# Altium PCB AX7103-2021-0629.PcbDoc (part 5 of 7) (continued)
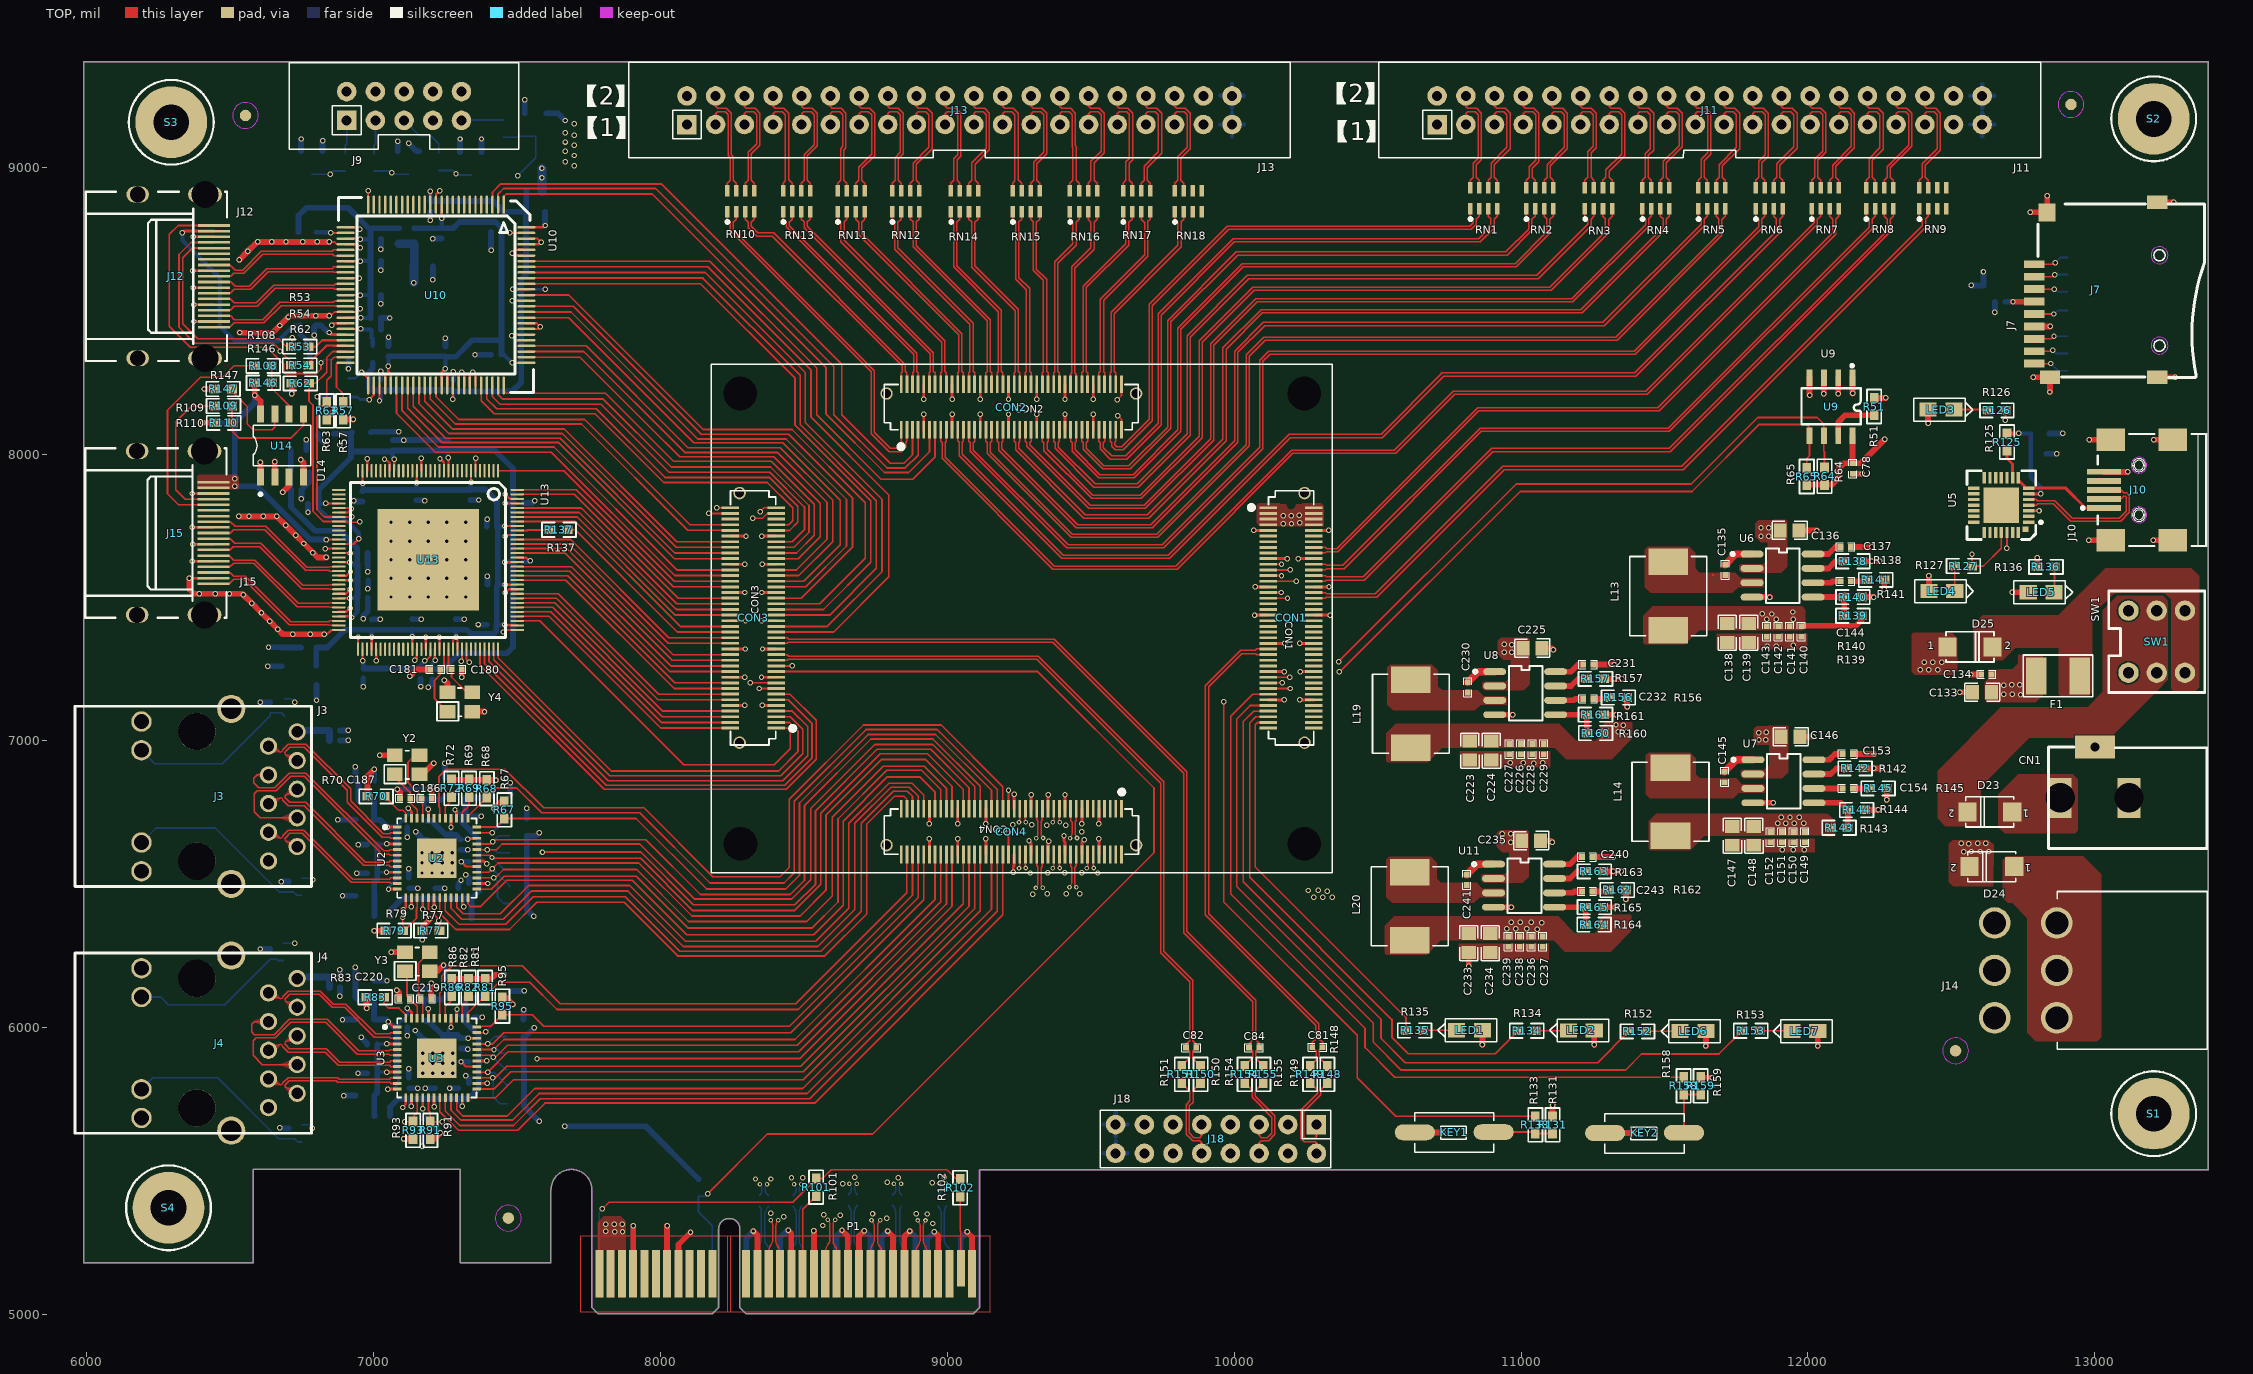
[diagram p0: TOP view]
## Nets (pads, with @x,y where several pads share a name; then routed paths per layer and width w, separated by ;. In a path a pad name is that pad's centre, name@x,y a point inside that pad or via, vN(x,y) a via of type N, cw(c..) or ccw(c..) an arc to the next point about the centre after c; other vN are vias at no path point) (continued)
N17097878: C181.1 U13.84 Y4.1 | length 249.9
  TOP w6: U13.84@7245.5,7320.3 7245.5,7261.31 C181.1@7233.54,7249.35 7233.54,7232.35 7213.04,7211.85 7213.04,7147.08 Y4.1@7257.73,7102.39
N17098042: R109.1 R110.2 U14.5 | length 404.4
  TOP w6: R109.1@6507.04,8167.71 6507.04,8109.99 R110.2@6508.04,8108.99 6508.04,8079.85 6532.04,8055.85 6712.04,8055.85 6756.04,8099.85 U14.5@6756.04,8139.85
N17098052: R147.2 U14.7 | length 298.5
  TOP w6: R147.2@6506.04,8226.99 6506.04,8219.85 6560.04,8165.85 6560.04,8104.85 6580.04,8084.85 6647.04,8084.85 6656.04,8093.85 U14.7@6656.04,8139.85
N17098066: R108.1 R146.2 U14.6 | length 193.1
  TOP w6: R108.1@6645.04,8307.71 6645.04,8249.99 R146.2@6646.04,8248.99 6646.04,8228.85 6706.04,8168.85 U14.6@6706.04,8139.85
N17099637: R51.1 U9.7 | length 183.1
  TOP w20: U9.7@12105.71,8063.49 12105.71,8111.18 12130.38,8135.85 R51.1@12230.9,8135.85
N17105083: KEY2.1 R158.1 R159.1 | length 193.1
  TOP w6: KEY2.1@11568.27,5634.35 11568.27,5766.48 R158.1@11566.9,5767.85 R159.1@11625.9,5767.85
N17109958: C187.1 U2.46 Y2.1 | length 185.1
  TOP w6: Y2.1@7073.73,6883.39 7073.73,6874.16 7128.04,6819.85 C187.1@7128.04,6799.85 7128.04,6783.85 7152.07,6759.82 U2.46@7152.07,6730.69
N17109960: C186.1 U2.45 Y2.3 | length 266.4
  TOP w6: Y2.3@7160.35,6950.31 7145.5,6950.31 7120.04,6924.85 7120.04,6855.85 7167.04,6808.85 C186.1@7167.04,6799.85 7167.04,6785.57 7171.76,6780.85 U2.45@7171.76,6730.69
N17113346: R69.2 U2.38 | length 83.9
  TOP w6: U2.38@7309.55,6730.69 7309.55,6751.36 7333.18,6774.99 R69.2@7333.18,6804.85
N17113357: R70.2 U2.48 | length 116.1
  TOP w6: R70.2@7039.04,6806.99 7087.18,6758.85 7103.04,6758.85 7112.7,6749.19 U2.48@7112.7,6730.69
N17113998: C189.1 J3.12 R71.2 | length 603.5
  BOTTOM w6: J3.12@6191.12,6967.72 6237.99,6920.85 6473.04,6920.85 6640.04,7087.85 C189.1@6640.04,7098.85 6678.04,7098.85 R71.2@6690.04,7086.85
N17114016: C190.1 C191.1 J3.P1 | length 150.1
  BOTTOM w25: J3.P1@6734.03,7031.9 6738.98,7036.85 C191.1@6847.04,7036.85 C190.1@6847.04,7001.85
N17114022: C188.1 J3.13 R66.2 | length 677.3
  BOTTOM w6: J3.13@6191.12,6646.07 6241.9,6696.85 6449.04,6696.85 6672.04,6473.85 C188.1@6705.04,6473.85 6721.04,6473.85 6733.04,6461.85 R66.2@6750.04,6461.85
N17127231: R82.2 U3.38 | length 86.1
  TOP w6: U3.38@7309.55,6033.69 7309.55,6077.36 7331.18,6098.99 R82.2@7331.18,6110.85
N17127234: R83.2 U3.48 | length 126.7
  TOP w6: R83.2@7036.04,6106.99 7036.04,6084.85 7051.54,6069.35 7088.54,6069.35 7112.7,6045.19 U3.48@7112.7,6033.69
N17127267: C200.1 J4.12 R85.2 | length 573
  BOTTOM w6: J4.12@6191.12,6107.72 6258.17,6107.72 6285.04,6080.85 6482.04,6080.85 C200.1@6640.04,6238.85 6662.04,6238.85 6666.04,6234.85 R85.2@6685.9,6234.85
N17127285: C199.1 C201.1 J4.P1 | length 150.1
  BOTTOM w25: J4.P1@6734.03,6171.9 6738.98,6176.85 C201.1@6847.04,6176.85 C199.1@6847.04,6141.85
N17127291: C196.1 J4.13 R84.2 | length 668.2
  BOTTOM w6: J4.13@6191.12,5786.07 6230.9,5825.85 6457.04,5825.85 6669.04,5613.85 C196.1@6705.04,5613.85 6725.04,5613.85 6737.04,5601.85 R84.2@6750.04,5601.85
N17133722: C220.1 U3.46 Y3.1 | length 181.2
  TOP w6: Y3.1@7109.73,6197.39 7117.04,6190.08 7117.04,6109.85 C220.1@7126.04,6100.85 7152.07,6074.82 U3.46@7152.07,6033.69
N17133724: C219.1 U3.45 Y3.3 | length 253
  TOP w6: U3.45@7171.76,6033.69 7171.76,6094.13 C219.1@7165.04,6100.85 7157.04,6108.85 7157.04,6225 Y3.3@7196.35,6264.31
N17145811: LED1.2 R135.2 | length 116.9
  TOP w6: R135.2@10659.04,5990.99 10659.9,5991.85 LED1.2@10775.54,5991.85
N17145844: LED2.2 R134.2 | length 115.9
  TOP w6: R134.2@11050.04,5989.99 11164.68,5989.99 LED2.2@11165.54,5990.85
N17152075: CN1.3 D23.1
N17152103: D24.1 J14.1 J14.2 J14.3
N17240476: LED6.2 R152.2 | length 118.9
  TOP w6: R152.2@11436.04,5987.99 11553.68,5987.99 LED6.2@11554.54,5988.85
N17240505: LED7.2 R153.2 | length 114
  TOP w6: R153.2@11831.04,5989.99 11943.4,5989.99 LED7.2@11944.54,5988.85
N17255447: C144.2 R141.1 | length 59.1
  TOP w20: C144.2@12149.6,7556.62 12201.46,7556.62 R141.1@12206.6,7561.76
N17255454: R139.2 R140.1 U6.5 | length 174
  TOP w20: U6.5@12017.9,7501.62 12126.46,7501.62 R140.1@12126.6,7501.76 R139.2@12126.6,7436.48
N17255460: C135.2 L13.1 U6.3 | length 5.7
  TOP w6: 11668.04,7579.99 11672.04,7575.99
N17255510: C137.1 U6.8 | length 106.1
  TOP w20: U6.8@12017.9,7651.62 12071.6,7651.62 12096.6,7676.62 C137.1@12113.6,7676.62
N17255538: C135.1 U6.1 | length 109
  TOP w25: C135.1@11711.6,7614.62 11748.6,7651.62 U6.1@11805.3,7651.62
N17255550: C144.1 U6.6 | length 97.8
  TOP w20: U6.6@12017.9,7551.62 12081.6,7551.62 12086.6,7556.62 C144.1@12113.6,7556.62
N17255552: R138.2 U6.7 | length 119
  TOP w20: U6.7@12017.9,7601.62 12071.74,7601.62 12096.6,7626.48 R138.2@12126.6,7626.48
N17256496: C232.2 R156.1 | length 59.1
  TOP w20: C232.2@11252.6,7146.62 11304.46,7146.62 R156.1@11309.6,7151.76
N17256500: R160.2 R161.1 U8.5 | length 173
  TOP w20: U8.5@11120.9,7091.62 11229.46,7091.62 R161.1@11229.6,7091.76 11229.6,7028.15 R160.2@11230.04,7027.71
N17256512: C230.2 L19.1 U8.3
N17256548: C231.1 U8.8 | length 106.1
  TOP w20: U8.8@11120.9,7241.62 11174.6,7241.62 11199.6,7266.62 C231.1@11216.6,7266.62
N17256590: C230.1 U8.1 | length 109
  TOP w25: C230.1@10814.6,7204.62 10851.6,7241.62 U8.1@10908.3,7241.62
N17256602: C232.1 U8.6 | length 97.8
  TOP w20: U8.6@11120.9,7141.62 11184.6,7141.62 11189.6,7146.62 C232.1@11216.6,7146.62
N17256604: R157.2 U8.7 | length 119
  TOP w20: U8.7@11120.9,7191.62 11174.74,7191.62 11199.6,7216.48 R157.2@11229.6,7216.48
N17291571: C243.2 R162.1 | length 59.1
  TOP w20: C243.2@11248.6,6475.62 11300.46,6475.62 R162.1@11305.6,6480.76
N17291575: R164.2 R165.1 U11.5 | length 170
  TOP w20: U11.5@11116.9,6420.62 11225.46,6420.62 R165.1@11225.6,6420.76 11225.6,6360.27 R164.2@11225.04,6359.71
N17291587: C241.2 L20.1 U11.3
N17291623: C240.1 U11.8 | length 106.1
  TOP w20: U11.8@11116.9,6570.62 11170.6,6570.62 11195.6,6595.62 C240.1@11212.6,6595.62
N17291649: C241.1 U11.1 | length 109
  TOP w25: C241.1@10810.6,6533.62 10847.6,6570.62 U11.1@10904.3,6570.62
N17291677: C243.1 U11.6 | length 97.8
  TOP w20: U11.6@11116.9,6470.62 11180.6,6470.62 11185.6,6475.62 C243.1@11212.6,6475.62
N17291679: R163.2 U11.7 | length 119
  TOP w20: U11.7@11116.9,6520.62 11170.74,6520.62 11195.6,6545.48 R163.2@11225.6,6545.48
PCIE_CLK_N: C112.2 CON4.38 | length 1696.6
  TOP w5: v2(9250.04,6556.85) ccw(c9243.04,6563.85) 9252.94,6563.85 CON4.38@9252.94,6604.33
  IN1 w5: v2(8372.04,5454.85) 8369.64,5452.46 ccw(c8385.61,5436.51) 8363.04,5436.51 ccw(c8376.7,5436.51) 8367.04,5426.85 8370.67,5423.21 ccw(c8386.04,5438.6) 8386.04,5416.85 8395.04,5416.85 ccw(c8395.04,5440.85) 8419.04,5440.85 8419.04,5450.85 ccw(c8414.04,5450.85) 8414.04,5455.85 cw(c8414.04,5460.85) 8409.04,5460.85 8409.04,5465.85 cw(c8414.04,5465.85) 8414.04,5470.85 ccw(c8414.04,5475.85) 8419.04,5475.85 8419.04,5480.85 ccw(c8414.04,5480.85) 8414.04,5485.85 cw(c8414.04,5491.85) 8408.04,5491.85 8408.04,5495.73 cw(c8413.16,5495.73) 8409.54,5499.35 cw(c8413.16,5495.73) 8413.16,5500.85 8414.04,5500.85 ccw(c8414.04,5505.85) 8419.04,5505.85 8419.04,5510.85 ccw(c8414.04,5510.85) 8414.04,5515.85 cw(c8414.04,5520.85) 8409.04,5520.85 8409.04,5525.85 cw(c8414.04,5525.85) 8414.04,5530.85 ccw(c8414.04,5535.85) 8419.04,5535.85 8419.04,5565.85 cw(c8743.94,5565.85) 8514.18,5795.57 9181.1,6462.47 ccw(c9176.25,6467.33) 9181.1,6472.19 cw(c9185.95,6477.04) 9181.1,6481.89 9182.01,6482.8 cw(c9186.86,6477.94) 9191.71,6482.8 ccw(c9196.57,6487.66) 9201.43,6482.8 9253.94,6535.32 ; v2(9250.04,6556.85) cw(c9235.55,6542.36) 9256.04,6542.36 9256.04,6540.37 cw(c9248.94,6540.37) 9253.94,6535.33
  BOTTOM w5: v2(8372.04,5454.85) ccw(c8388.94,5437.95) 8365.04,5437.95 8365.04,5433.85 ccw(c8381.94,5433.85) 8369.99,5421.9 C112.2@8377.04,5414.85
PCIE_CLK_P: C111.2 CON4.36 | length 1677.3
  TOP w5: CON4.36@9272.62,6604.33 9272.62,6558.69 v2(9274.04,6557.27)
  IN1 w5: v2@8347.04,5454.85 cw(c8334.97,5442.78) 8352.04,5442.78 8352.04,5436.52 ccw(c8376.7,5436.5) 8359.25,5419.07 8361.06,5417.26 8362.88,5415.43 ccw(c8386.04,5438.64) 8386.04,5405.85 8395.04,5405.85 ccw(c8395.04,5440.85) 8430.04,5440.85 8430.04,5565.85 cw(c8743.91,5565.85) 8521.96,5787.78 8526.54,5792.35 9240.17,6505.98 9261.72,6527.54 ccw(c9248.91,6540.37) 9267.04,6540.37 cw(c9290.94,6540.37) v2(9274.04,6557.27)
  BOTTOM w5: C111.2@8344.04,5414.85 8347.68,5418.48 ccw(c8332.29,5433.85) 8354.04,5433.85 8354.04,5437.95 ccw(c8330.14,5437.95) v2(8347.04,5454.85)
PCIE_PERST: CON3.21 P1.A11 R103.2 | length 4085.7
  TOP w6: v1(8165.04,5421.85) 8373.04,5629.85 8740.04,5629.85 9720.54,6610.35 9720.54,6836.35 9314.91,7241.98 CON3.21@8403.12,7241.98
  BOTTOM w6: v1(8165.04,5421.85) 8156.04,5412.85 R103.2@8133.04,5412.85 8132.54,5412.35 8132.54,5358.85 8180.98,5310.41 P1.A11@8180.98,5142.35
PCIE_RX0_N: CON4.37 P1.B15 | length 2140.6
  TOP w5: v2@8411.04,5329.85 ccw(c8430.35,5310.54) 8403.04,5310.54 8403.04,5254.01 ccw(c8425.33,5254.01) 8409.57,5238.25 cw(c8379.81,5215.62) 8417.2,5215.62 P1.B15@8417.2,5142.35 ; v2(9250.04,6716.29) ccw(c9243.04,6723.29) 9252.94,6723.29 CON4.37@9252.94,6763.77
  IN2 w5: v2(8411.04,5329.85) 8408.28,5327.1 ccw(c8418.55,5316.85) 8404.04,5316.85 8404.04,5300.92 ccw(c8430.12,5300.92) 8409.59,5284.84 8417.07,5277.36 ccw(c8449.01,5309.3) 8449.01,5264.13 ccw(c8445.18,5300) 8470.68,5274.49 8490.22,5294.03 ccw(c8418.23,5366.02) 8520.04,5366.02 8520.04,5376.02 ccw(c8514.54,5376.02) 8514.54,5381.52 8512.46,5381.52 cw(c8512.45,5386.55) 8508.9,5382.99 8507.47,5384.42 cw(c8510.92,5387.87) 8506.04,5387.87 8506.04,5391.22 cw(c8509.71,5391.21) 8506.32,5392.62 8506.66,5393.45 cw(c8510.27,5391.96) 8508.78,5395.57 8510.16,5396.14 cw(c8512.06,5391.58) 8512.06,5396.52 8514.54,5396.52 ccw(c8514.54,5402.02) 8520.04,5402.02 8520.04,5406.02 ccw(c8514.54,5406.02) 8514.54,5411.52 8512.43,5411.52 cw(c8512.43,5418.91) 8507.2,5413.69 8506.16,5414.73 cw(c8508.87,5417.44) 8505.04,5417.43 8505.04,5419.02 cw(c8512.54,5419.02) 8512.54,5426.52 8514.54,5426.52 ccw(c8514.54,5432.02) 8520.04,5432.02 8520.04,5520.96 cw(c8951.94,5520.95) 8646.54,5826.35 9081.54,6261.35 ccw(c8894.44,6448.45) 9159.04,6448.45 9159.04,6502.47 ccw(c9154.04,6502.47) 9154.04,6507.47 cw(c9154.04,6513.47) 9148.04,6513.47 9148.04,6516.16 cw(c9154.53,6516.16) 9149.94,6520.75 9149.98,6520.79 cw(c9154.04,6516.72) 9154.04,6522.47 ccw(c9154.04,6527.47) 9159.04,6527.47 9159.04,6542.85 cw(c9237.65,6542.85) 9182.06,6598.43 9251.76,6668.13 ccw(c9241.42,6678.45) 9256.03,6678.46 9256.04,6706.07 ccw(c9245.85,6706.07) 9253.06,6713.27 v2(9250.04,6716.29)
PCIE_RX0_P: CON4.35 P1.B14 | length 2126.9
  TOP w5: P1.B14@8377.83,5142.35 8377.83,5218.54 cw(c8426.35,5218.54) 8384.09,5242.38 ccw(c8364.9,5261.57) 8392.04,5261.57 8392.04,5311.7 ccw(c8366.37,5311.7) v2@8384.52,5329.85 ; CON4.35@9272.62,6763.77 9272.62,6718.13 v2(9274.04,6716.71)
  IN2 w5: v2(8384.52,5329.85) 8391.46,5322.91 cw(c8387.63,5319.09) 8393.04,5319.09 8393.04,5300.91 ccw(c8430.12,5300.92) 8403.9,5274.7 8411.89,5266.71 ccw(c8445.19,5299.99) 8450.17,5253.18 ccw(c8445.18,5299.99) 8478.46,5266.71 8498,5286.25 ccw(c8418.23,5366.02) 8531.04,5366.01 8531.04,5520.95 cw(c8951.94,5520.95) 8654.32,5818.57 9089.32,6253.57 ccw(c8894.44,6448.45) 9170.04,6448.45 9170.04,6542.85 cw(c9237.64,6542.85) 9189.84,6590.65 9259.54,6660.35 ccw(c9241.43,6678.46) 9267.04,6678.46 9267.04,6701.85 cw(c9286.02,6701.85) 9272.6,6715.27 v2(9274.04,6716.71)
PCIE_RX1_N: CON4.32 P1.B20 | length 1925.2
  TOP w5: v2@8610.04,5330.85 ccw(c8629.11,5311.78) 8602.14,5311.78 8602.14,5255.3 ccw(c8620.92,5255.3) 8607.64,5242.02 cw(c8582.74,5223.04) 8614.05,5223.04 P1.B20@8614.05,5142.35 ; v2(9309.1,6487.85) ccw(c9292.35,6504.6) 9316.04,6504.6 9316.04,6557.61 ccw(c9305.8,6557.61) 9313.04,6564.85 cw(c9325.82,6570.14) 9311.99,6570.14 CON4.32@9311.99,6604.33
  IN2 w5: v2(8610.04,5330.85) 8608.7,5329.5 ccw(c8622.33,5315.85) 8603.04,5315.85 8603.04,5281.23 ccw(c8611.2,5281.23) 8605.43,5275.46 8608.97,5271.92 ccw(c8626.04,5288.99) 8626.04,5264.85 8633.04,5264.85 ccw(c8633.04,5296.23) 8655.23,5274.04 8662.54,5281.35 ccw(c8547.86,5396.03) 8710.04,5396.03 8710.04,5406.85 ccw(c8705.54,5406.85) 8705.54,5411.35 cw(c8705.54,5417.85) 8699.04,5417.85 8699.04,5420.38 cw(c8705,5420.38) 8700.79,5424.6 cw(c8705.01,5420.39) 8705.01,5426.35 8705.54,5426.35 ccw(c8705.54,5430.85) 8710.04,5430.85 8710.04,5436.85 ccw(c8705.54,5436.85) 8705.54,5441.35 cw(c8705.54,5445.85) 8701.04,5445.85 8701.04,5451.85 cw(c8705.54,5451.85) 8705.54,5456.35 ccw(c8705.54,5460.85) 8710.04,5460.85 8710.04,5466.85 ccw(c8705.54,5466.85) 8705.54,5471.35 cw(c8705.54,5475.85) 8701.04,5475.85 8701.04,5481.85 cw(c8705.54,5481.85) 8705.54,5486.35 ccw(c8705.54,5490.85) 8710.04,5490.85 8710.04,5496.85 ccw(c8705.54,5496.85) 8705.54,5501.35 cw(c8705.54,5505.85) 8701.04,5505.85 8701.04,5511.85 cw(c8705.54,5511.85) 8705.54,5516.35 ccw(c8705.54,5520.85) 8710.04,5520.85 cw(c9136.29,5520.85) 8834.88,5822.25 9232.26,6219.63 9254.91,6242.29 ccw(c9107.38,6389.85) 9316.04,6389.85 9316.04,6471.1 ccw(c9292.35,6471.1) v2@9309.1,6487.85
PCIE_RX1_P: CON4.30 P1.B19 | length 1917.8
  TOP w5: P1.B19@8574.68,5142.35 8574.68,5213.11 cw(c8630.88,5213.11) 8585.85,5246.74 ccw(c8573.08,5259.51) 8591.14,5259.51 8591.14,5312.45 ccw(c8565.12,5312.45) v2(8583.52,5330.85) ; CON4.30@9331.68,6604.33 9331.68,6567.5 cw(c9321.16,6567.5) 9328.6,6560.06 ccw(c9342.88,6553.21) 9327.04,6553.22 9327.04,6502.9 ccw(c9347.73,6502.9) v2(9333.1,6488.27)
  IN2 w5: v2(8583.52,5330.85) 8589.75,5324.62 cw(c8584.22,5319.09) 8592.04,5319.09 8592.04,5281.24 ccw(c8611.2,5281.23) 8597.65,5267.68 8601.19,5264.14 ccw(c8626.04,5289) 8626.04,5253.85 8633.04,5253.85 ccw(c8633.04,5296.24) 8663.01,5266.26 8670.32,5273.57 ccw(c8547.86,5396.02) 8721.04,5396.04 8721.04,5520.85 cw(c9136.28,5520.85) 8842.66,5814.47 9240.04,6211.85 9262.69,6234.51 ccw(c9107.37,6389.85) 9327.04,6389.85 9327.04,6473.64 cw(c9347.73,6473.64) v2(9333.1,6488.27)
PCIE_RX2_N: CON4.20 P1.B24 | length 1898.9
  TOP w5: v2(8766.04,5329.85) ccw(c8787.77,5308.12) 8757.04,5308.12 8757.04,5256.14 ccw(c8780.05,5256.14) 8763.78,5239.87 cw(c8735.1,5217.41) 8771.53,5217.41 P1.B24@8771.53,5142.35 ; v2(9426.21,6489.85) ccw(c9407.31,6508.75) 9434.04,6508.75 9434.04,6555.59 ccw(c9425.54,6555.59) 9431.55,6561.6 cw(c9443.55,6567.67) 9430.1,6567.67 ; 9430.1,6567.68 CON4.20@9430.1,6604.33
  IN2 w5: v2(8766.04,5329.85) ccw(c8787.77,5308.12) 8757.04,5308.12 8757.04,5291.54 ccw(c8777.7,5291.54) 8763.09,5276.93 ccw(c8777.31,5291.15) 8777.31,5271.04 8796.86,5271.04 ccw(c8792.05,5303.64) 8815.34,5280.33 8830.41,5295.4 ccw(c8756.46,5369.35) 8861.04,5369.35 8861.04,5387.22 ccw(c8855.54,5387.22) 8855.54,5392.72 cw(c8855.54,5398.22) 8850.04,5398.22 8850.04,5402.22 cw(c8855.54,5402.22) 8855.54,5407.72 ccw(c8855.54,5413.22) 8861.04,5413.22 8861.04,5417.22 ccw(c8855.54,5417.22) 8855.54,5422.72 cw(c8855.54,5428.22) 8850.04,5428.22 8850.04,5432.22 cw(c8855.54,5432.22) 8855.54,5437.72 ccw(c8855.54,5443.22) 8861.04,5443.22 8861.04,5474.01 ccw(c8854.54,5474.01) 8854.54,5480.51 cw(c8854.54,5487.01) 8848.04,5487.01 8848.04,5489.01 cw(c8854.54,5489.01) 8854.54,5495.51 ccw(c8854.54,5502.01) 8861.04,5502.01 8861.04,5532.23 cw(c9264.67,5532.22) 8979.26,5817.63 9360.26,6198.63 ccw(c9184.56,6374.33) 9433.04,6374.33 9433.04,6473.36 ccw(c9409.72,6473.36) v2(9426.21,6489.85)
PCIE_RX2_P: CON4.18 P1.B23 | length 1893
  TOP w5: P1.B23@8732.16,5142.35 8732.16,5220.34 cw(c8779.55,5220.34) 8736.85,5240.9 ccw(c8714.66,5263.09) 8746.04,5263.09 8746.04,5305.71 ccw(c8711.9,5305.71) v2@8736.04,5329.85 ; CON4.18@9449.79,6604.33 9449.79,6571.14 cw(c9433.57,6571.13) 9448.6,6565.03 ccw(c9457.19,6556.44) 9445.04,6556.44 9445.04,6502.75 ccw(c9462.69,6502.75) v2(9450.21,6490.27)
  IN2 w5: v2@8736.04,5329.85 cw(c8711.9,5305.71) 8746.04,5305.71 8746.04,5291.54 ccw(c8777.7,5291.53) 8755.31,5269.15 ccw(c8777.31,5291.15) 8777.31,5260.04 8798.35,5260.04 8798.46,5260.15 ccw(c8792.04,5303.64) 8823.12,5272.55 8838.19,5287.62 ccw(c8756.46,5369.35) 8872.04,5369.35 8872.04,5532.22 cw(c9264.67,5532.22) 8987.04,5809.85 9368.04,6190.85 ccw(c9184.56,6374.33) 9444.04,6374.33 9444.04,6475.37 cw(c9465.11,6475.37) v2(9450.21,6490.27)
  other v2: 8736.04,5329.85
PCIE_RX3_N: CON4.25 P1.B28 | length 2169.3
  TOP w5: v2(8924.04,5328.85) ccw(c8940.94,5311.95) 8917.04,5311.95 8917.04,5255.71 ccw(c8943.23,5255.71) 8924.71,5237.19 cw(c8888.14,5218.94) 8929.01,5218.95 P1.B28@8929.01,5142.35 ; v2(9368.15,6716.29) ccw(c9361.15,6723.29) 9371.05,6723.29 CON4.25@9371.05,6763.77
  IN2 w5: v2@8924.04,5328.85 ccw(c8943.35,5309.54) 8916.04,5309.54 8916.04,5289.13 ccw(c8925.02,5289.13) 8918.68,5282.77 8926.56,5274.89 ccw(c8958.04,5306.37) 8958.04,5261.85 ccw(c8958.04,5320.85) 9017.04,5320.85 9017.04,5354.17 ccw(c9010.54,5354.17) 9010.54,5360.67 cw(c9010.54,5367.17) 9004.04,5367.17 9004.04,5369.17 cw(c9010.54,5369.17) 9010.54,5375.67 ccw(c9010.54,5382.17) 9017.04,5382.17 9017.04,5384.17 ccw(c9010.54,5384.17) 9010.54,5390.67 cw(c9010.54,5397.17) 9004.04,5397.17 9004.04,5399.17 cw(c9010.54,5399.17) 9010.54,5405.67 ccw(c9010.54,5412.17) 9017.04,5412.17 9017.04,5414.17 ccw(c9010.54,5414.17) 9010.54,5420.67 cw(c9010.54,5427.17) 9004.04,5427.17 9004.04,5429.17 cw(c9010.54,5429.17) 9010.54,5435.67 ccw(c9010.54,5442.17) 9017.04,5442.17 9017.04,5541.28 cw(c9432.62,5541.27) 9138.76,5835.13 9458.76,6155.13 ccw(c9257.71,6356.18) 9542.04,6356.18 9542.04,6550.63 ccw(c9501.83,6550.63) 9530.26,6579.07 ccw(c9511.48,6560.29) 9511.48,6586.85 9464.44,6586.85 cw(c9464.44,6671.26) 9404.76,6611.57 9402.3,6614.03 cw(c9468.13,6679.85) 9375.04,6679.85 9375.04,6699.66 ccw(c9351.52,6699.66) v2(9368.15,6716.29)
PCIE_RX3_P: CON4.23 P1.B27 | length 2160.7
  TOP w5: P1.B27@8889.64,5142.35 8889.64,5218.51 cw(c8924.74,5218.51) 8899.92,5243.33 ccw(c8862.24,5265.66) 8906.04,5265.65 8906.04,5307.12 ccw(c8875.31,5307.12) v2(8897.04,5328.85) ; CON4.23@9390.73,6763.77 9390.73,6718.13 v2(9392.15,6716.71)
  IN2 w5: v2@8897.04,5328.85 cw(c8877.73,5309.54) 8905.04,5309.54 8905.04,5289.13 ccw(c8925.03,5289.13) 8910.9,5274.99 8918.78,5267.11 ccw(c8958.04,5306.38) 8958.04,5250.85 ccw(c8958.04,5320.85) 9028.04,5320.85 9028.04,5541.27 cw(c9432.62,5541.27) 9146.54,5827.35 9466.54,6147.35 ccw(c9257.71,6356.18) 9553.04,6356.18 9553.04,6550.64 ccw(c9501.83,6550.64) 9538.04,6586.85 ccw(c9511.48,6560.29) 9511.48,6597.85 9464.45,6597.85 cw(c9464.45,6671.26) 9412.54,6619.35 9410.08,6621.81 cw(c9468.12,6679.85) 9386.04,6679.85 9386.04,6701.96 cw(c9406.9,6701.96) v2@9392.15,6716.71
PCIE_TX0_N: C110.2 CON4.31 | length 1830.2
  TOP w5: v2(9310.1,6661.29) ccw(c9295.76,6675.63) 9316.04,6675.63 9316.04,6717.26 ccw(c9304.09,6717.26) 9315.06,6722 cw(c9322.47,6729.41) 9311.99,6729.41 CON4.31@9311.99,6763.77
  IN1 w5: v2(8491.04,5454.85) 8488.28,5452.1 ccw(c8498.55,5441.85) 8484.04,5441.85 8484.04,5434.85 ccw(c8505.04,5434.85) 8505.04,5413.85 8527.04,5413.85 ccw(c8527.04,5444.85) 8558.04,5444.85 8558.04,5450.6 ccw(c8545.37,5450.6) 8554.33,5459.56 ccw(c8550.01,5455.24) 8550.01,5461.35 cw(c8550.01,5467.31) 8545.79,5463.1 8545.45,5463.44 cw(c8548.87,5466.85) 8544.04,5466.85 8544.04,5468.85 cw(c8551.54,5468.85) 8551.54,5476.35 ccw(c8551.54,5482.85) 8558.04,5482.85 8558.04,5484.85 ccw(c8551.54,5484.85) 8551.54,5491.35 cw(c8551.54,5497.85) 8545.04,5497.85 8545.04,5499.85 cw(c8551.54,5499.85) 8551.54,5506.35 ccw(c8551.54,5512.85) 8558.04,5512.85 8558.04,5559.85 cw(c8830.85,5559.85) 8637.94,5752.75 9184.04,6298.85 9221.07,6335.89 ccw(c9110.14,6446.85) 9267.04,6446.85 9267.04,6453.85 cw(c9345.65,6453.85) 9290.06,6509.43 9300.26,6519.63 ccw(c9259.76,6560.14) 9317.04,6560.14 9317.04,6596.73 ccw(c9310.04,6596.73) 9310.04,6603.73 cw(c9310.04,6610.73) 9303.04,6610.73 9303.04,6611.73 cw(c9310.04,6611.73) 9310.04,6618.73 ccw(c9310.04,6625.73) 9317.04,6625.73 9317.04,6644.54 ccw(c9293.35,6644.54) v2(9310.1,6661.29)
  BOTTOM w5: v2(8491.04,5454.85) ccw(c8507.58,5438.31) 8484.19,5438.31 8484.19,5434.77 ccw(c8515.42,5437.85) C110.2@8493.22,5415.65 ; C110.2@8493.23,5415.66 C110.2@8494.04,5414.85
PCIE_TX0_P: C109.2 CON4.29 | length 1820.3
  TOP w5: CON4.29@9331.68,6763.77 9331.68,6730.42 cw(c9315.84,6730.41) 9330.22,6723.77 ccw(c9337.9,6716.09) 9327.04,6716.09 9327.04,6678.75 ccw(c9351.14,6678.75) v2(9334.1,6661.71)
  IN1 w5: v2(8466.04,5454.85) 8468.8,5452.1 cw(c8458.53,5441.85) 8473.04,5441.85 8473.04,5434.85 ccw(c8505.04,5434.85) 8505.04,5402.85 8527.04,5402.85 ccw(c8527.04,5444.85) 8569.04,5444.85 8569.04,5559.85 cw(c8830.84,5559.85) 8645.72,5744.97 9191.82,6291.07 9228.85,6328.11 ccw(c9110.13,6446.85) 9278.04,6446.85 9278.04,6453.85 cw(c9345.64,6453.85) 9297.84,6501.65 9308.04,6511.85 ccw(c9259.76,6560.13) 9328.04,6560.13 9328.04,6647.08 cw(c9348.73,6647.08) v2(9334.1,6661.71)
  BOTTOM w5: C109.2@8461.04,5414.85 8468.09,5421.9 ccw(c8456.14,5433.85) 8473.04,5433.85 8473.04,5438.85 ccw(c8451.29,5438.85) 8466.68,5454.22 v2(8466.04,5454.85)
PCIE_TX1_N: C115.2 CON4.26 | length 1613.5
  TOP w5: v2(9368.15,6556.85) ccw(c9361.15,6563.85) 9371.05,6563.85 CON4.26@9371.05,6604.33
  IN1 w5: v2(8684.04,5456.85) ccw(c8697.32,5443.57) 8678.54,5443.57 8678.54,5432.72 ccw(c8697.56,5432.7) 8678.9,5429.02 ccw(c8697.56,5432.72) 8684.11,5419.27 ccw(c8698.71,5433.87) 8698.71,5413.22 8712.36,5413.22 ccw(c8712.36,5455.39) 8742.18,5425.57 ccw(c8718.37,5449.36) 8752.03,5449.37 8752.04,5454.85 ccw(c8739.27,5454.85) 8749.15,5462.94 ccw(c8730.18,5443.98) 8741.76,5468.17 8741.34,5468.37 cw(c8744.58,5475.14) 8744.54,5482.65 ccw(c8744.54,5490.15) 8744.54,5497.65 cw(c8744.54,5505.15) 8744.54,5512.65 ccw(c8744.54,5520.15) 8751.89,5521.62 8751.89,5549.1 8752.04,5549.25 8752.04,5555.85 cw(c9075.54,5555.85) 8846.79,5784.6 9291.6,6229.4 ccw(c9090.14,6430.85) 9375.04,6430.85 9375.04,6480.35 ccw(c9367.54,6480.35) 9367.54,6487.85 cw(c9367.54,6495.35) 9367.54,6502.85 ccw(c9367.54,6510.35) 9375.04,6510.35 9375.04,6540.22 ccw(c9351.52,6540.22) v2@9368.15,6556.85
  BOTTOM w5: v2(8684.04,5456.85) ccw(c8700.94,5439.95) 8677.04,5439.95 8677.04,5438.85 ccw(c8705.99,5438.85) 8685.53,5418.37 C115.2@8687.04,5416.85
PCIE_TX1_P: C116.2 CON4.24 | length 1601.6
  TOP w5: CON4.24@9390.73,6604.33 9390.73,6558.69 v2(9392.15,6557.27)
  IN1 w5: v2(8659.04,5456.85) 8659.82,5456.85 cw(c8659.82,5452.6) 8663.7,5454.34 8665.57,5450.19 cw(c8647.34,5441.96) 8667.33,5442.66 8667.53,5436.69 cw(c8638.54,5435.7) 8667.54,5436.33 8667.54,5432.72 ccw(c8697.56,5432.7) 8668.11,5426.88 ccw(c8697.56,5432.72) 8676.33,5411.49 ccw(c8698.71,5433.87) 8698.71,5402.22 8712.36,5402.22 ccw(c8712.37,5455.39) 8749.96,5417.79 ccw(c8718.38,5449.37) 8763.04,5449.37 8763.04,5555.85 cw(c9075.54,5555.85) 8854.57,5776.82 8866.02,5788.27 9299.38,6221.62 ccw(c9090.13,6430.85) 9386.04,6430.85 9386.04,6542.52 cw(c9406.9,6542.52) v2@9392.15,6557.27
  BOTTOM w5: C116.2@8654.04,5416.85 8658.19,5421 ccw(c8639.24,5439.95) 8666.04,5439.95 ccw(c8642.14,5439.95) v2(8659.04,5456.85)
PCIE_TX2_N: C113.2 CON4.14 | length 1565.3
  TOP w5: v2(9486.26,6556.85) ccw(c9479.26,6563.85) 9489.16,6563.85 CON4.14@9489.16,6604.33
  IN1 w5: v2(8839.04,5456.85) ccw(c8855.94,5439.95) 8832.04,5439.95 8832.04,5431.85 ccw(c8848.04,5431.85) 8848.04,5415.85 8861.04,5415.85 ccw(c8861.04,5444.85) 8890.04,5444.85 8890.04,5454.85 ccw(c8885.04,5454.85) 8885.04,5459.85 cw(c8885.04,5464.85) 8880.04,5464.85 8880.04,5469.85 cw(c8885.04,5469.85) 8885.04,5474.85 ccw(c8885.04,5479.85) 8890.04,5479.85 8890.04,5484.85 ccw(c8885.04,5484.85) 8885.04,5489.85 cw(c8885.04,5494.85) 8880.04,5494.85 8880.04,5499.85 cw(c8885.04,5499.85) 8885.04,5504.85 ccw(c8885.04,5509.85) 8890.04,5509.85 8890.04,5539.85 cw(c9201.47,5539.85) 8981.25,5760.06 9404.53,6183.34 9409.17,6188 ; 9409.18,6188 ccw(c9204.36,6392.85) 9494.04,6392.85 9494.04,6538.07 ccw(c9467.48,6538.07) v2@9486.26,6556.85
  BOTTOM w5: v2(8839.04,5456.85) 8838.4,5456.22 ccw(c8853.79,5440.85) 8832.04,5440.85 8832.04,5434.85 ccw(c8851.33,5434.85) 8837.7,5421.2 C113.2@8842.04,5416.85
PCIE_TX2_P: C114.2 CON4.12 | length 1577.2
  TOP w5: CON4.12@9508.84,6604.33 9508.84,6558.69 v2(9510.26,6557.27)
  IN1 w5: v2(8814.04,5456.85) cw(c8797.14,5439.95) 8821.04,5439.95 8821.04,5431.85 ccw(c8848.04,5431.85) 8848.04,5404.85 8861.04,5404.85 ccw(c8861.04,5444.85) 8901.04,5444.85 8901.04,5539.85 cw(c9201.46,5539.85) 8989.03,5752.28 9412.32,6175.57 9416.96,6180.22 ccw(c9204.35,6392.85) 9505.04,6392.85 9505.04,6544.67 cw(c9522.86,6544.67) v2(9510.26,6557.27)
  BOTTOM w5: C114.2@8809.04,5416.85 8816.8,5424.6 ccw(c8806.53,5434.85) 8821.04,5434.85 8821.04,5440.85 ccw(c8799.29,5440.85) 8814.68,5456.22 v2(8814.04,5456.85)

## Text inside footprints (layer, text, board x,y; h text height)
CON2: PIN_NUMBER "80" at 9587.26,8243.71 h25; PIN_NUMBER "79" at 9587.26,8084.27 h25; PIN_NUMBER "70" at 9488.83,8243.71 h25; PIN_NUMBER "60" at 9390.41,8243.71 h25; PIN_NUMBER "50" at 9291.98,8243.71 h25; PIN_NUMBER "40" at 9193.56,8243.71 h25; PIN_NUMBER "30" at 9095.13,8243.71 h25; PIN_NUMBER "20" at 8996.71,8243.71 h25; PIN_NUMBER "10" at 8898.28,8243.71 h25; PIN_NUMBER "69" at 9488.83,8084.27 h25; PIN_NUMBER "59" at 9390.41,8084.27 h25; PIN_NUMBER "49" at 9291.98,8084.27 h25; PIN_NUMBER "39" at 9193.56,8084.27 h25; PIN_NUMBER "29" at 9095.13,8084.27 h25; PIN_NUMBER "19" at 8996.71,8084.27 h25; PIN_NUMBER "9" at 8908.28,8084.27 h25; PIN_NUMBER "75" at 9547.89,8084.27 h25; PIN_NUMBER "77" at 9567.57,8084.27 h25; PIN_NUMBER "71" at 9508.52,8084.27 h25; PIN_NUMBER "73" at 9528.2,8084.27 h25; PIN_NUMBER "65" at 9449.46,8084.27 h25; PIN_NUMBER "67" at 9469.15,8084.27 h25; PIN_NUMBER "61" at 9410.09,8084.27 h25; PIN_NUMBER "63" at 9429.78,8084.27 h25; PIN_NUMBER "55" at 9351.04,8084.27 h25; PIN_NUMBER "57" at 9370.72,8084.27 h25; PIN_NUMBER "51" at 9311.67,8084.27 h25; PIN_NUMBER "53" at 9331.35,8084.27 h25; PIN_NUMBER "45" at 9252.61,8084.27 h25; PIN_NUMBER "47" at 9272.3,8084.27 h25; PIN_NUMBER "41" at 9213.24,8084.27 h25; PIN_NUMBER "43" at 9232.93,8084.27 h25; PIN_NUMBER "35" at 9154.19,8084.27 h25; PIN_NUMBER "37" at 9173.87,8084.27 h25; PIN_NUMBER "31" at 9114.82,8084.27 h25; PIN_NUMBER "33" at 9134.5,8084.27 h25; PIN_NUMBER "25" at 9055.76,8084.27 h25; PIN_NUMBER "27" at 9075.45,8084.27 h25; PIN_NUMBER "21" at 9016.39,8084.27 h25; PIN_NUMBER "23" at 9036.08,8084.27 h25; PIN_NUMBER "15" at 8957.34,8084.27 h25; PIN_NUMBER "17" at 8977.02,8084.27 h25; PIN_NUMBER "2" at 8829.54,8243.71 h25; PIN_NUMBER "4" at 8849.23,8243.71 h25; PIN_NUMBER "3" at 8849.23,8084.27 h25; PIN_NUMBER "1" at 8829.54,8084.27 h25; PIN_NUMBER "6" at 8868.91,8243.71 h25; PIN_NUMBER "8" at 8888.6,8243.71 h25; PIN_NUMBER "22" at 9016.39,8243.71 h25; PIN_NUMBER "24" at 9036.08,8243.71 h25; PIN_NUMBER "16" at 8957.34,8243.71 h25; PIN_NUMBER "18" at 8977.02,8243.71 h25; PIN_NUMBER "32" at 9114.82,8243.71 h25; PIN_NUMBER "34" at 9134.5,8243.71 h25; PIN_NUMBER "26" at 9055.76,8243.71 h25; PIN_NUMBER "28" at 9075.45,8243.71 h25; PIN_NUMBER "42" at 9213.24,8243.71 h25; PIN_NUMBER "36" at 9154.19,8243.71 h25; PIN_NUMBER "44" at 9232.93,8243.71 h25; PIN_NUMBER "38" at 9173.87,8243.71 h25; PIN_NUMBER "52" at 9311.67,8243.71 h25; PIN_NUMBER "54" at 9331.35,8243.71 h25; PIN_NUMBER "46" at 9252.61,8243.71 h25; PIN_NUMBER "48" at 9272.3,8243.71 h25; PIN_NUMBER "62" at 9410.09,8243.71 h25; PIN_NUMBER "64" at 9429.78,8243.71 h25; PIN_NUMBER "56" at 9351.04,8243.71 h25; PIN_NUMBER "58" at 9370.72,8243.71 h25; PIN_NUMBER "72" at 9508.52,8243.71 h25; PIN_NUMBER "74" at 9528.2,8243.71 h25; PIN_NUMBER "66" at 9449.46,8243.71 h25; PIN_NUMBER "68" at 9469.15,8243.71 h25; PIN_NUMBER "76" at 9547.89,8243.71 h25; PIN_NUMBER "78" at 9567.57,8243.71 h25; PIN_NUMBER "5" at 8868.91,8084.27 h25; PIN_NUMBER "11" at 8917.97,8084.27 h25; PIN_NUMBER "13" at 8937.65,8084.27 h25; PIN_NUMBER "7" at 8888.6,8084.27 h25; PIN_NUMBER "12" at 8917.97,8243.71 h25; PIN_NUMBER "14" at 8937.65,8243.71 h25; PIN_NUMBER "82" at 9683.4,8263.99 h25; PIN_NUMBER "81" at 8698.36,8211.23 h25
CON3: PIN_NUMBER "78" at 8223.68,7793.16 h25 r90; PIN_NUMBER "23" at 8383.12,7261.67 h25 r90; PIN_NUMBER "77" at 8383.12,7793.16 h25 r90; PIN_NUMBER "79" at 8383.12,7812.85 h25 r90; PIN_NUMBER "80" at 8223.68,7812.85 h25 r90; PIN_NUMBER "70" at 8223.68,7714.42 h25 r90; PIN_NUMBER "60" at 8223.68,7616 h25 r90; PIN_NUMBER "50" at 8223.68,7517.57 h25 r90; PIN_NUMBER "40" at 8223.68,7419.15 h25 r90; PIN_NUMBER "30" at 8223.68,7320.72 h25 r90; PIN_NUMBER "20" at 8223.68,7222.3 h25 r90; PIN_NUMBER "10" at 8223.68,7123.87 h25 r90; PIN_NUMBER "69" at 8383.12,7714.42 h25 r90; PIN_NUMBER "59" at 8383.12,7616 h25 r90; PIN_NUMBER "49" at 8383.12,7517.57 h25 r90; PIN_NUMBER "39" at 8383.12,7419.15 h25 r90; PIN_NUMBER "29" at 8383.12,7320.72 h25 r90; PIN_NUMBER "19" at 8383.12,7222.3 h25 r90; PIN_NUMBER "9" at 8393.12,7123.87 h25 r90; PIN_NUMBER "21" at 8383.12,7241.98 h25 r90; PIN_NUMBER "36" at 8223.68,7379.78 h25 r90; PIN_NUMBER "42" at 8223.68,7438.83 h25 r90; PIN_NUMBER "17" at 8383.12,7202.61 h25 r90; PIN_NUMBER "2" at 8233.68,7045.13 h25 r90; PIN_NUMBER "11" at 8383.12,7143.56 h25 r90; PIN_NUMBER "1" at 8393.12,7045.13 h25 r90; PIN_NUMBER "7" at 8393.12,7104.19 h25 r90; PIN_NUMBER "48" at 8223.68,7497.89 h25 r90; PIN_NUMBER "34" at 8223.68,7360.09 h25 r90; PIN_NUMBER "4" at 8233.68,7064.82 h25 r90; PIN_NUMBER "5" at 8393.12,7084.5 h25 r90; PIN_NUMBER "46" at 8223.68,7478.2 h25 r90; PIN_NUMBER "12" at 8223.68,7143.56 h25 r90; PIN_NUMBER "18" at 8223.68,7202.61 h25 r90; PIN_NUMBER "8" at 8233.68,7104.19 h25 r90; PIN_NUMBER "38" at 8223.68,7399.46 h25 r90; PIN_NUMBER "44" at 8223.68,7458.52 h25 r90; PIN_NUMBER "32" at 8223.68,7340.41 h25 r90; PIN_NUMBER "26" at 8223.68,7281.35 h25 r90; PIN_NUMBER "24" at 8223.68,7261.67 h25 r90; PIN_NUMBER "14" at 8223.68,7163.24 h25 r90; PIN_NUMBER "28" at 8223.68,7301.04 h25 r90; PIN_NUMBER "3" at 8393.12,7064.82 h25 r90; PIN_NUMBER "6" at 8233.68,7084.5 h25 r90; PIN_NUMBER "13" at 8383.12,7163.24 h25 r90; PIN_NUMBER "54" at 8223.68,7556.94 h25 r90; PIN_NUMBER "52" at 8223.68,7537.26 h25 r90; PIN_NUMBER "16" at 8223.68,7182.93 h25 r90; PIN_NUMBER "22" at 8223.68,7241.98 h25 r90; PIN_NUMBER "27" at 8383.12,7301.04 h25 r90; PIN_NUMBER "25" at 8383.12,7281.35 h25 r90; PIN_NUMBER "66" at 8223.68,7675.05 h25 r90; PIN_NUMBER "41" at 8383.12,7438.83 h25 r90; PIN_NUMBER "45" at 8383.12,7478.2 h25 r90; PIN_NUMBER "72" at 8223.68,7734.11 h25 r90; PIN_NUMBER "35" at 8383.12,7379.78 h25 r90; PIN_NUMBER "51" at 8383.12,7537.26 h25 r90; PIN_NUMBER "55" at 8383.12,7576.63 h25 r90; PIN_NUMBER "63" at 8383.12,7655.37 h25 r90; PIN_NUMBER "68" at 8223.68,7694.74 h25 r90; PIN_NUMBER "58" at 8223.68,7596.31 h25 r90; PIN_NUMBER "37" at 8383.12,7399.46 h25 r90; PIN_NUMBER "15" at 8383.12,7182.93 h25 r90; PIN_NUMBER "67" at 8383.12,7694.74 h25 r90; PIN_NUMBER "71" at 8383.12,7734.11 h25 r90; PIN_NUMBER "74" at 8223.68,7753.79 h25 r90; PIN_NUMBER "62" at 8223.68,7635.68 h25 r90; PIN_NUMBER "56" at 8223.68,7576.63 h25 r90; PIN_NUMBER "64" at 8223.68,7655.37 h25 r90; PIN_NUMBER "47" at 8383.12,7497.89 h25 r90; PIN_NUMBER "43" at 8383.12,7458.52 h25 r90; PIN_NUMBER "65" at 8383.12,7675.05 h25 r90; PIN_NUMBER "53" at 8383.12,7556.94 h25 r90; PIN_NUMBER "61" at 8383.12,7635.68 h25 r90; PIN_NUMBER "73" at 8383.12,7753.79 h25 r90; PIN_NUMBER "57" at 8383.12,7596.31 h25 r90; PIN_NUMBER "31" at 8383.12,7340.41 h25 r90; PIN_NUMBER "33" at 8383.12,7360.09 h25 r90; PIN_NUMBER "82" at 8183.4,7928.99 h25 r90; PIN_NUMBER "81" at 8236.16,6943.95 h25 r90; PIN_NUMBER "76" at 8223.68,7773.48 h25 r90; PIN_NUMBER "75" at 8383.12,7773.48 h25 r90
CON4: PIN_NUMBER "1" at 9597.27,6763.77 h25 r180; PIN_NUMBER "11" at 9488.84,6763.77 h25 r180; PIN_NUMBER "13" at 9469.16,6763.77 h25 r180; PIN_NUMBER "2" at 9597.27,6604.33 h25 r180; PIN_NUMBER "3" at 9577.58,6763.77 h25 r180; PIN_NUMBER "4" at 9577.58,6604.33 h25 r180; PIN_NUMBER "5" at 9557.9,6763.77 h25 r180; PIN_NUMBER "6" at 9557.9,6604.33 h25 r180; PIN_NUMBER "7" at 9538.21,6763.77 h25 r180; PIN_NUMBER "79" at 8819.55,6763.77 h25 r180; PIN_NUMBER "8" at 9538.21,6604.33 h25 r180; PIN_NUMBER "80" at 8819.55,6604.33 h25 r180; PIN_NUMBER "81" at 9668.45,6636.81 h25 r180; PIN_NUMBER "82" at 8683.41,6584.05 h25 r180; PIN_NUMBER "70" at 8917.98,6604.33 h25 r180; PIN_NUMBER "60" at 9016.4,6604.33 h25 r180; PIN_NUMBER "50" at 9114.83,6604.33 h25 r180; PIN_NUMBER "40" at 9213.25,6604.33 h25 r180; PIN_NUMBER "34" at 9272.31,6604.33 h25 r180; PIN_NUMBER "28" at 9331.36,6604.33 h25 r180; PIN_NUMBER "22" at 9390.42,6604.33 h25 r180; PIN_NUMBER "16" at 9449.47,6604.33 h25 r180; PIN_NUMBER "10" at 9508.53,6604.33 h25 r180; PIN_NUMBER "69" at 8917.98,6763.77 h25 r180; PIN_NUMBER "59" at 9016.4,6763.77 h25 r180; PIN_NUMBER "49" at 9114.83,6763.77 h25 r180; PIN_NUMBER "39" at 9213.25,6763.77 h25 r180; PIN_NUMBER "33" at 9272.31,6763.77 h25 r180; PIN_NUMBER "27" at 9331.36,6763.77 h25 r180; PIN_NUMBER "21" at 9390.42,6763.77 h25 r180; PIN_NUMBER "15" at 9449.47,6763.77 h25 r180; PIN_NUMBER "9" at 9518.53,6763.77 h25 r180; PIN_NUMBER "47" at 9134.51,6763.77 h25 r180; PIN_NUMBER "45" at 9154.2,6763.77 h25 r180; PIN_NUMBER "67" at 8937.66,6763.77 h25 r180; PIN_NUMBER "65" at 8957.35,6763.77 h25 r180; PIN_NUMBER "77" at 8839.24,6763.77 h25 r180; PIN_NUMBER "75" at 8858.92,6763.77 h25 r180; PIN_NUMBER "73" at 8878.61,6763.77 h25 r180; PIN_NUMBER "71" at 8898.29,6763.77 h25 r180; PIN_NUMBER "55" at 9055.77,6763.77 h25 r180; PIN_NUMBER "51" at 9095.14,6763.77 h25 r180; PIN_NUMBER "53" at 9075.46,6763.77 h25 r180; PIN_NUMBER "57" at 9036.09,6763.77 h25 r180; PIN_NUMBER "61" at 8996.72,6763.77 h25 r180; PIN_NUMBER "63" at 8977.03,6763.77 h25 r180; PIN_NUMBER "43" at 9173.88,6763.77 h25 r180; PIN_NUMBER "74" at 8878.61,6604.33 h25 r180; PIN_NUMBER "76" at 8858.92,6604.33 h25 r180; PIN_NUMBER "54" at 9075.46,6604.33 h25 r180; PIN_NUMBER "56" at 9055.77,6604.33 h25 r180; PIN_NUMBER "44" at 9173.88,6604.33 h25 r180; PIN_NUMBER "46" at 9154.2,6604.33 h25 r180; PIN_NUMBER "48" at 9134.51,6604.33 h25 r180; PIN_NUMBER "52" at 9095.14,6604.33 h25 r180; PIN_NUMBER "62" at 8996.72,6604.33 h25 r180; PIN_NUMBER "72" at 8898.29,6604.33 h25 r180; PIN_NUMBER "68" at 8937.66,6604.33 h25 r180; PIN_NUMBER "66" at 8957.35,6604.33 h25 r180; PIN_NUMBER "64" at 8977.03,6604.33 h25 r180; PIN_NUMBER "58" at 9036.09,6604.33 h25 r180; PIN_NUMBER "78" at 8839.24,6604.33 h25 r180; PIN_NUMBER "35" at 9252.62,6763.77 h25 r180; PIN_NUMBER "37" at 9232.94,6763.77 h25 r180; PIN_NUMBER "30" at 9311.68,6604.33 h25 r180; PIN_NUMBER "32" at 9291.99,6604.33 h25 r180; PIN_NUMBER "18" at 9429.79,6604.33 h25 r180; PIN_NUMBER "20" at 9410.1,6604.33 h25 r180; PIN_NUMBER "23" at 9370.73,6763.77 h25 r180; PIN_NUMBER "25" at 9351.05,6763.77 h25 r180; PIN_NUMBER "38" at 9232.94,6604.33 h25 r180; PIN_NUMBER "36" at 9252.62,6604.33 h25 r180; PIN_NUMBER "41" at 9193.57,6763.77 h25 r180; PIN_NUMBER "42" at 9193.57,6604.33 h25 r180; PIN_NUMBER "29" at 9311.68,6763.77 h25 r180; PIN_NUMBER "31" at 9291.99,6763.77 h25 r180; PIN_NUMBER "24" at 9370.73,6604.33 h25 r180; PIN_NUMBER "26" at 9351.05,6604.33 h25 r180; PIN_NUMBER "12" at 9488.84,6604.33 h25 r180; PIN_NUMBER "14" at 9469.16,6604.33 h25 r180; PIN_NUMBER "17" at 9429.79,6763.77 h25 r180; PIN_NUMBER "19" at 9410.1,6763.77 h25 r180
D1: PIN_NUMBER "3" at 6775.75,8975.89 h25.2 r180; PIN_NUMBER "2" at 6812.36,9055.81 h25.2 r180; PIN_NUMBER "1" at 6737.56,9055.81 h25.2 r180
D2: PIN_NUMBER "3" at 7112.75,8975.89 h25.2 r180; PIN_NUMBER "2" at 7149.36,9055.81 h25.2 r180; PIN_NUMBER "1" at 7074.56,9055.81 h25.2 r180
D3: PIN_NUMBER "2" at 7366.36,9052.81 h25.2 r180; PIN_NUMBER "3" at 7329.75,8972.89 h25.2 r180; PIN_NUMBER "1" at 7291.56,9052.81 h25.2 r180
D4: PIN_NUMBER "3" at 7555.75,9107.89 h25.2 r180; PIN_NUMBER "2" at 7592.36,9187.81 h25.2 r180; PIN_NUMBER "1" at 7517.56,9187.81 h25.2 r180
D23: PIN_NUMBER "2" at 12545.69,6752.85 h25 r180; PIN_NUMBER "1" at 12702.39,6752.85 h25 r180; Top Overlay "1" at 12772.04,6761.18 h25 r180; Top Overlay "2" at 12512.04,6761.18 h25 r180; DIMENSION "156.70" at 12766.04,6850.35 h25 r180; DIMENSION "3.98" at 12588.04,6850.35 h25 r180
D24: PIN_NUMBER "2" at 12552.69,6561.85 h25 r180; PIN_NUMBER "1" at 12709.39,6561.85 h25 r180; Top Overlay "1" at 12779.04,6570.18 h25 r180; Top Overlay "2" at 12519.04,6570.18 h25 r180; DIMENSION "156.70" at 12773.04,6659.35 h25 r180; DIMENSION "3.98" at 12595.04,6659.35 h25 r180
D25: PIN_NUMBER "2" at 12633.39,7327.85 h25; PIN_NUMBER "1" at 12476.69,7327.85 h25; Top Overlay "1" at 12418.05,7320.52 h25; Top Overlay "2" at 12687.04,7319.52 h25; DIMENSION "156.70" at 12433.04,7230.35 h25; DIMENSION "3.98" at 12611.04,7230.35 h25
F1: PIN_NUMBER "2" at 12786.04,7226.85 h25 r180; PIN_NUMBER "1" at 12938.04,7226.85 h25 r180; DIMENSION "152.00" at 12989.04,7349.35 h25 r180; DIMENSION "3.86" at 12811.04,7349.35 h25 r180
F2: PIN_NUMBER "1" at 6788.3,8448.46 h25; PIN_NUMBER "2" at 6734.3,8448.46 h25
J3: PIN_NUMBER "11" at 6171.12,7067.72 h25 r180; PIN_NUMBER "14" at 6171.12,6546.07 h25 r180; PIN_NUMBER "15" at 6484.11,7112.01 h25 r180; PIN_NUMBER "16" at 6484.11,6501.78 h25 r180; PIN_NUMBER "P10" at 6604.03,6581.9 h25 r180; PIN_NUMBER "18" at 6364.03,6580.91 h25 r180; PIN_NUMBER "17" at 6364.03,7032.88 h25 r180; PIN_NUMBER "P9" at 6714.03,6631.9 h25 r180; PIN_NUMBER "P8" at 6614.03,6681.9 h25 r180; PIN_NUMBER "P6" at 6614.03,6781.9 h25 r180; PIN_NUMBER "P5" at 6714.03,6831.9 h25 r180; PIN_NUMBER "P7" at 6714.03,6731.9 h25 r180; PIN_NUMBER "P4" at 6614.03,6881.9 h25 r180; PIN_NUMBER "P3" at 6714.03,6931.9 h25 r180; PIN_NUMBER "P2" at 6614.03,6981.9 h25 r180; PIN_NUMBER "13" at 6171.12,6646.07 h25 r180; PIN_NUMBER "P1" at 6714.03,7031.9 h25 r180; PIN_NUMBER "12" at 6171.12,6967.72 h25 r180
J4: PIN_NUMBER "11" at 6171.12,6207.72 h25 r180; PIN_NUMBER "14" at 6171.12,5686.07 h25 r180; PIN_NUMBER "15" at 6484.11,6252.01 h25 r180; PIN_NUMBER "P10" at 6604.03,5721.9 h25 r180; PIN_NUMBER "16" at 6484.11,5641.78 h25 r180; PIN_NUMBER "18" at 6364.03,5720.91 h25 r180; PIN_NUMBER "17" at 6364.03,6172.88 h25 r180; PIN_NUMBER "P1" at 6714.03,6171.9 h25 r180; PIN_NUMBER "12" at 6171.12,6107.72 h25 r180; PIN_NUMBER "13" at 6171.12,5786.07 h25 r180; PIN_NUMBER "P9" at 6714.03,5771.9 h25 r180; PIN_NUMBER "P8" at 6614.03,5821.9 h25 r180; PIN_NUMBER "P6" at 6614.03,5921.9 h25 r180; PIN_NUMBER "P5" at 6714.03,5971.9 h25 r180; PIN_NUMBER "P7" at 6714.03,5871.9 h25 r180; PIN_NUMBER "P4" at 6614.03,6021.9 h25 r180; PIN_NUMBER "P3" at 6714.03,6071.9 h25 r180; PIN_NUMBER "P2" at 6614.03,6121.9 h25 r180
J7: PIN_NUMBER "4" at 12778.65,8531.73 h25 r90; PIN_NUMBER "11" at 12823.77,8267.95 h25 r90; PIN_NUMBER "10" at 12813.93,8842.75 h25 r90; PIN_NUMBER "6" at 12778.65,8445.11 h25 r90; PIN_NUMBER "12" at 13197.78,8267.95 h25 r90; PIN_NUMBER "13" at 13197.78,8878.19 h25 r90; PIN_NUMBER "5" at 12778.65,8488.42 h25 r90; PIN_NUMBER "2" at 12778.65,8618.34 h25 r90; PIN_NUMBER "3" at 12778.65,8575.04 h25 r90; PIN_NUMBER "1" at 12778.65,8661.65 h25 r90; PIN_NUMBER "7" at 12778.65,8401.81 h25 r90; PIN_NUMBER "9" at 12778.65,8315.19 h25 r90; PIN_NUMBER "8" at 12778.65,8358.5 h25 r90
J9: PIN_NUMBER "6" at 7096.6,9263.48 h25.2; PIN_NUMBER "4" at 6996.6,9263.48 h25.2; PIN_NUMBER "10" at 7286.52,9263.48 h25.2; PIN_NUMBER "2" at 6896.6,9263.48 h25.2; PIN_NUMBER "8" at 7196.6,9263.48 h25.2; PIN_NUMBER "7" at 7196.6,9163.48 h25.2; PIN_NUMBER "1" at 6896.6,9163.48 h25.2; PIN_NUMBER "5" at 7096.6,9163.48 h25.2; PIN_NUMBER "3" at 6996.6,9163.48 h25.2; PIN_NUMBER "9" at 7296.6,9163.48 h25.2
J10: PIN_NUMBER "2" at 13021.9,7843.48 h25 r180; PIN_NUMBER "3" at 13021.9,7874.98 h25 r180; PIN_NUMBER "6" at 13045.52,8050.18 h25 r180; PIN_NUMBER "5" at 13021.9,7937.97 h25 r180; PIN_NUMBER "7" at 13262.06,8050.18 h25 r180; PIN_NUMBER "9" at 13262.06,7699.78 h25 r180; PIN_NUMBER "8" at 13045.52,7699.78 h25 r180; PIN_NUMBER "4" at 13021.9,7906.48 h25 r180; PIN_NUMBER "1" at 13021.9,7811.99 h25 r180
J11: PIN_NUMBER "2" at 10697.7,9248.82 h25; PIN_NUMBER "3" at 10797.7,9148.82 h25; PIN_NUMBER "5" at 10897.7,9148.82 h25; PIN_NUMBER "7" at 10997.7,9148.82 h25; PIN_NUMBER "9" at 11097.7,9148.82 h25; PIN_NUMBER "11" at 11187.7,9148.82 h25; PIN_NUMBER "13" at 11287.7,9148.82 h25; PIN_NUMBER "15" at 11387.7,9148.82 h25; PIN_NUMBER "17" at 11487.7,9148.82 h25; PIN_NUMBER "19" at 11587.7,9148.82 h25; PIN_NUMBER "21" at 11687.7,9148.82 h25; PIN_NUMBER "23" at 11787.7,9148.82 h25; PIN_NUMBER "25" at 11887.7,9148.82 h25; PIN_NUMBER "27" at 11987.7,9148.82 h25; PIN_NUMBER "29" at 12087.7,9148.82 h25; PIN_NUMBER "31" at 12187.7,9148.82 h25; PIN_NUMBER "33" at 12287.7,9148.82 h25; PIN_NUMBER "35" at 12387.7,9148.82 h25; PIN_NUMBER "4" at 10797.7,9248.82 h25; PIN_NUMBER "6" at 10897.7,9248.82 h25; PIN_NUMBER "8" at 10997.7,9248.82 h25; PIN_NUMBER "10" at 11087.7,9248.82 h25; PIN_NUMBER "12" at 11187.7,9248.82 h25; PIN_NUMBER "14" at 11287.7,9248.82 h25; PIN_NUMBER "16" at 11387.7,9248.82 h25; PIN_NUMBER "18" at 11487.7,9248.82 h25; PIN_NUMBER "20" at 11587.7,9248.82 h25; PIN_NUMBER "22" at 11687.7,9248.82 h25; PIN_NUMBER "24" at 11787.7,9248.82 h25; PIN_NUMBER "26" at 11887.7,9248.82 h25; PIN_NUMBER "28" at 11987.7,9248.82 h25; PIN_NUMBER "30" at 12087.7,9248.82 h25; PIN_NUMBER "32" at 12187.7,9248.82 h25; PIN_NUMBER "36" at 12387.7,9248.82 h25; PIN_NUMBER "34" at 12287.7,9248.82 h25; PIN_NUMBER "40" at 12587.7,9248.82 h25; PIN_NUMBER "39" at 12587.7,9148.82 h25; PIN_NUMBER "38" at 12487.7,9248.82 h25; PIN_NUMBER "37" at 12487.7,9148.82 h25; PIN_NUMBER "1" at 10697.7,9148.82 h25
J12: PIN_NUMBER "21" at 6392.73,8905.15 h25; PIN_NUMBER "23" at 6158.08,8905.15 h25; PIN_NUMBER "8" at 6434.23,8580.34 h25; PIN_NUMBER "11" at 6424.23,8639.4 h25; PIN_NUMBER "17" at 6424.23,8757.51 h25; PIN_NUMBER "2" at 6434.23,8462.23 h25; PIN_NUMBER "5" at 6434.23,8521.29 h25; PIN_NUMBER "20" at 6392.73,8334.28 h25; PIN_NUMBER "22" at 6158.08,8334.28 h25; PIN_NUMBER "14" at 6424.23,8698.45 h25; PIN_NUMBER "12" at 6424.23,8659.08 h25; PIN_NUMBER "18" at 6424.23,8777.19 h25; PIN_NUMBER "3" at 6434.23,8481.92 h25; PIN_NUMBER "19" at 6424.23,8796.88 h25; PIN_NUMBER "9" at 6434.23,8600.03 h25; PIN_NUMBER "4" at 6434.23,8501.6 h25; PIN_NUMBER "6" at 6434.23,8540.97 h25; PIN_NUMBER "1" at 6434.23,8442.55 h25; PIN_NUMBER "13" at 6424.23,8678.77 h25; PIN_NUMBER "7" at 6434.23,8560.66 h25; PIN_NUMBER "15" at 6424.23,8718.14 h25; PIN_NUMBER "10" at 6424.23,8619.71 h25; PIN_NUMBER "16" at 6424.23,8737.82 h25